# Altium PCB Slave.PcbDoc (part 10 of 12)
Units mm, origin at the board's own origin, x right, y up, seen from the top; angles counter-clockwise.
Board outline 380 x 63 mm, 4 copper layers (Top Copper, Signal Layer 1, Signal Layer 2, Bottom Copper), stack 1.586 mm thick; 265 components, 193 nets, 745 pads, 28205 vias.
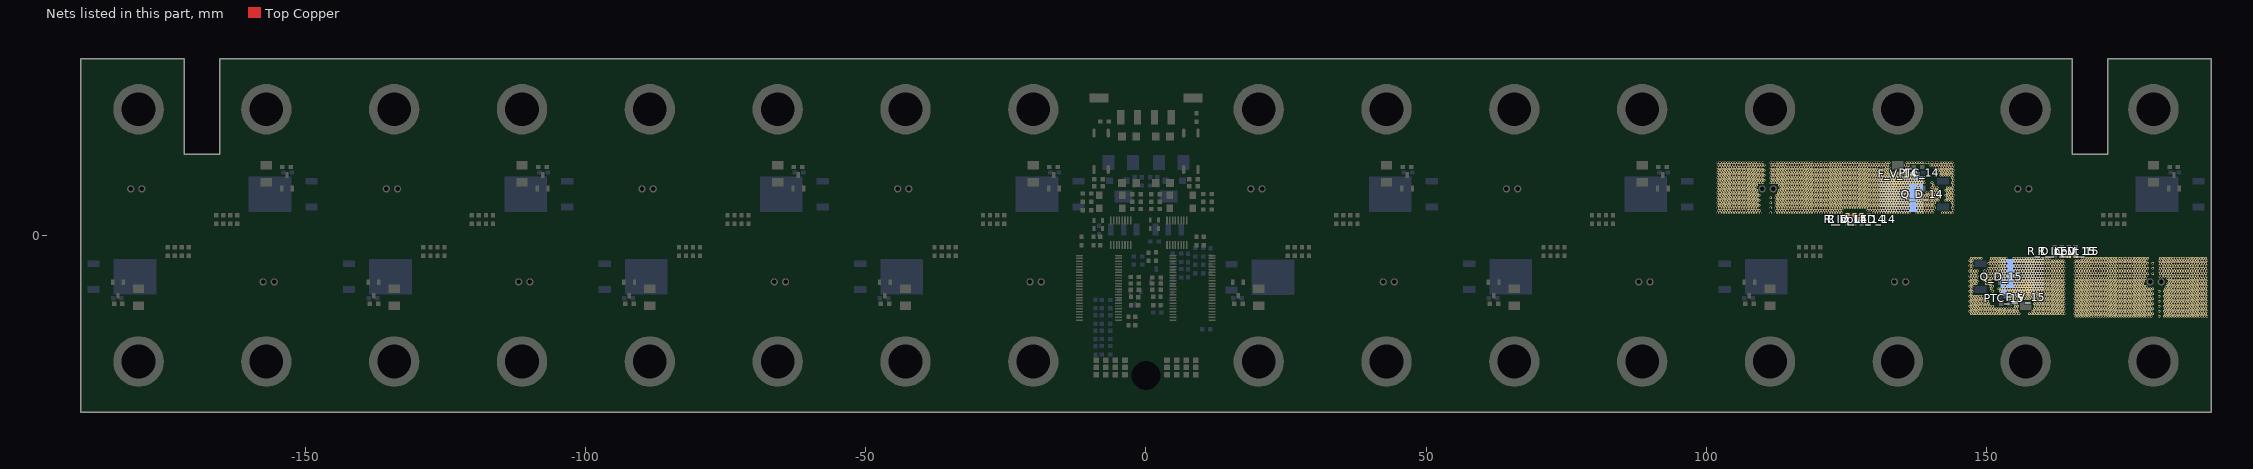
[diagram p12: the nets of this part, all layers, seen from the top]

## Via types
v1: diameter 0.45, hole 0.297, Top Copper to Bottom Copper, tented both sides, 27372 vias
v2: diameter 1, hole 0.7, Top Copper to Bottom Copper, 576 vias
v3: diameter 0.45, hole 0.2, Top Copper to Bottom Copper, 257 vias

## Nets (pads, with @x,y where several pads share a name; then routed paths per layer and width w, separated by ;. In a path a pad name is that pad's centre, name@x,y a point inside that pad or via, vN(x,y) a via of type N, cw(c..) or ccw(c..) an arc to the next point about the centre after c; other vN are vias at no path point) (continued)
F_14: C_V_14.2 F_V_14.2 PTC_14.2 Q_D_14.2 R_D_LED_14.2 R_Input_14.1 | length 3.9
  Top Copper w0.254: C_V_14.2@125.15,3.6 R_Input_14.1@126.4,3.6 R_D_LED_14.2@127.65,3.6
  Top Copper w0.305: v1@134.125,8.1 F_V_14.2@134.125,9.48
  other v1: 101.949,4 102.399,4 102.849,4 103.299,4 103.749,4 104.199,4 104.649,4 105.099,4 105.549,4 105.999,4 106.449,4 106.899,4 107.349,4 107.799,4 108.249,4 108.699,4 109.149,4 109.599,4 111.399,4 112.299,4 112.749,4 113.199,4 113.649,4 114.099,4 114.549,4 114.999,4 115.449,4 115.899,4 116.349,4 116.799,4 117.249,4 117.699,4 118.149,4 118.599,4 119.049,4 119.499,4 119.949,4 120.399,4 120.849,4 121.299,4 121.749,4 122.199,4 122.649,4 123.099,4 123.549,4 123.999,4 129.849,4 130.299,4 130.749,4 131.199,4 131.649,4 132.099,4 132.549,4 132.999,4 133.449,4 133.899,4 134.349,4 134.799,4 135.249,4 135.699,4 136.149,4 137.499,4 137.949,4 138.399,4 138.849,4 139.299,4 139.749,4 140.199,4 141.999,4 142.449,4 142.899,4 143.349,4 143.799,4 102.174,4.45 102.624,4.45 103.074,4.45 103.524,4.45 103.974,4.45 104.424,4.45 104.874,4.45 105.324,4.45 105.774,4.45 106.224,4.45 106.674,4.45 107.124,4.45 107.574,4.45 108.024,4.45 108.474,4.45 108.924,4.45 109.374,4.45 112.524,4.45 112.974,4.45 113.424,4.45 113.874,4.45 114.324,4.45 114.774,4.45 115.224,4.45 115.674,4.45 116.124,4.45 116.574,4.45 117.024,4.45 117.474,4.45 117.924,4.45 118.374,4.45 118.824,4.45 119.274,4.45 119.724,4.45 120.174,4.45 120.624,4.45 121.074,4.45 121.524,4.45 121.974,4.45 122.424,4.45 122.874,4.45 123.324,4.45 123.774,4.45 124.224,4.45 128.724,4.45 129.174,4.45 129.624,4.45 130.074,4.45 130.524,4.45 130.974,4.45 131.424,4.45 131.874,4.45 132.324,4.45 132.774,4.45 133.224,4.45 133.674,4.45 134.124,4.45 134.574,4.45 135.024,4.45 135.474,4.45 135.924,4.45 137.724,4.45 138.174,4.45 138.624,4.45 139.074,4.45 139.524,4.45 139.974,4.45 140.424,4.45 144.024,4.45 101.949,4.9 102.399,4.9 102.849,4.9 103.299,4.9 103.749,4.9 104.199,4.9 104.649,4.9 105.099,4.9 105.549,4.9 105.999,4.9 106.449,4.9 106.899,4.9 107.349,4.9 107.799,4.9 108.249,4.9 108.699,4.9 109.149,4.9 111.399,4.9 112.299,4.9 112.749,4.9 113.199,4.9 113.649,4.9 114.099,4.9 114.549,4.9 114.999,4.9 115.449,4.9 115.899,4.9 116.349,4.9 116.799,4.9 117.249,4.9 117.699,4.9 118.149,4.9 118.599,4.9 119.049,4.9 119.499,4.9 119.949,4.9 120.399,4.9 120.849,4.9 121.299,4.9 121.749,4.9 122.199,4.9 122.649,4.9 123.099,4.9 123.549,4.9 123.999,4.9 124.449,4.9 124.899,4.9 125.349,4.9 125.799,4.9 126.249,4.9 126.699,4.9 127.149,4.9 127.599,4.9 128.049,4.9 128.499,4.9 128.949,4.9 129.399,4.9 129.849,4.9 130.299,4.9 130.749,4.9 131.199,4.9 131.649,4.9 132.099,4.9 132.549,4.9 132.999,4.9 133.449,4.9 133.899,4.9 134.349,4.9 134.799,4.9 135.249,4.9 135.699,4.9 136.149,4.9 137.499,4.9 137.949,4.9 138.399,4.9 138.849,4.9 139.299,4.9 139.749,4.9 140.199,4.9 140.649,4.9 143.799,4.9 102.174,5.35 102.624,5.35 103.074,5.35 103.524,5.35 103.974,5.35 104.424,5.35 104.874,5.35 105.324,5.35 105.774,5.35 106.224,5.35 106.674,5.35 107.124,5.35 107.574,5.35 108.024,5.35 108.474,5.35 108.924,5.35 109.374,5.35 112.524,5.35 112.974,5.35 113.424,5.35 113.874,5.35 114.324,5.35 114.774,5.35 115.224,5.35 115.674,5.35 116.124,5.35 116.574,5.35 117.024,5.35 117.474,5.35 117.924,5.35 118.374,5.35 118.824,5.35 119.274,5.35 119.724,5.35 120.174,5.35 120.624,5.35 121.074,5.35 121.524,5.35 121.974,5.35 122.424,5.35 122.874,5.35 123.324,5.35 123.774,5.35 124.224,5.35 124.674,5.35 125.124,5.35 125.574,5.35 126.024,5.35 126.474,5.35 126.924,5.35 127.374,5.35 127.824,5.35 128.274,5.35 128.724,5.35 129.174,5.35 129.624,5.35 130.074,5.35 130.524,5.35 130.974,5.35 131.424,5.35 131.874,5.35 132.324,5.35 132.774,5.35 133.224,5.35 133.674,5.35 134.124,5.35 134.574,5.35 135.024,5.35 135.474,5.35 135.924,5.35 137.724,5.35 138.174,5.35 138.624,5.35 139.074,5.35 139.524,5.35 139.974,5.35 140.424,5.35 144.024,5.35 101.949,5.8 102.399,5.8 102.849,5.8 103.299,5.8 103.749,5.8 104.199,5.8 104.649,5.8 105.099,5.8 105.549,5.8 105.999,5.8 106.449,5.8 106.899,5.8 107.349,5.8 107.799,5.8 108.249,5.8 108.699,5.8 109.149,5.8 111.399,5.8 112.299,5.8 112.749,5.8 113.199,5.8 113.649,5.8 114.099,5.8 114.549,5.8 114.999,5.8 115.449,5.8 115.899,5.8 116.349,5.8 116.799,5.8 117.249,5.8 117.699,5.8 118.149,5.8 118.599,5.8 119.049,5.8 119.499,5.8 119.949,5.8 120.399,5.8 120.849,5.8 121.299,5.8 121.749,5.8 122.199,5.8 122.649,5.8 123.099,5.8 123.549,5.8 123.999,5.8 124.449,5.8 124.899,5.8 125.349,5.8 125.799,5.8 126.249,5.8 126.699,5.8 127.149,5.8 127.599,5.8 128.049,5.8 128.499,5.8 128.949,5.8 129.399,5.8 129.849,5.8 130.299,5.8 130.749,5.8 131.199,5.8 131.649,5.8 132.099,5.8 132.549,5.8 132.999,5.8 133.449,5.8 133.899,5.8 134.349,5.8 134.799,5.8 135.249,5.8 135.699,5.8 136.149,5.8 137.499,5.8 137.949,5.8 138.399,5.8 138.849,5.8 139.299,5.8 139.749,5.8 140.199,5.8 140.649,5.8 143.799,5.8 102.174,6.25 102.624,6.25 103.074,6.25 103.524,6.25 103.974,6.25 104.424,6.25 104.874,6.25 105.324,6.25 105.774,6.25 106.224,6.25 106.674,6.25 107.124,6.25 107.574,6.25 108.024,6.25 108.474,6.25 108.924,6.25 109.374,6.25 112.524,6.25 112.974,6.25 113.424,6.25 113.874,6.25 114.324,6.25 114.774,6.25 115.224,6.25 115.674,6.25 116.124,6.25 116.574,6.25 117.024,6.25 117.474,6.25 117.924,6.25 118.374,6.25 118.824,6.25 119.274,6.25 119.724,6.25 120.174,6.25 120.624,6.25 121.074,6.25 121.524,6.25 121.974,6.25 122.424,6.25 122.874,6.25 123.324,6.25 123.774,6.25 124.224,6.25 124.674,6.25 125.124,6.25 125.574,6.25 126.024,6.25 126.474,6.25 126.924,6.25 127.374,6.25 127.824,6.25 128.274,6.25 128.724,6.25 129.174,6.25 129.624,6.25 130.074,6.25 130.524,6.25 130.974,6.25 131.424,6.25 131.874,6.25 132.324,6.25 132.774,6.25 133.224,6.25 133.674,6.25 134.124,6.25 134.574,6.25 135.024,6.25 135.474,6.25 135.924,6.25 137.724,6.25 138.174,6.25 138.624,6.25 139.074,6.25 139.524,6.25 139.974,6.25 140.424,6.25 140.874,6.25 141.324,6.25 142.674,6.25 143.124,6.25 143.574,6.25 144.024,6.25 101.949,6.7 102.399,6.7 102.849,6.7 103.299,6.7 103.749,6.7 104.199,6.7 104.649,6.7 105.099,6.7 105.549,6.7 105.999,6.7 106.449,6.7 106.899,6.7 107.349,6.7 107.799,6.7 108.249,6.7 108.699,6.7 109.149,6.7 111.399,6.7 112.299,6.7 112.749,6.7 113.199,6.7 113.649,6.7 114.099,6.7 114.549,6.7 114.999,6.7 115.449,6.7 115.899,6.7 116.349,6.7 116.799,6.7 117.249,6.7 117.699,6.7 118.149,6.7 118.599,6.7 119.049,6.7 119.499,6.7 119.949,6.7 120.399,6.7 120.849,6.7 121.299,6.7 121.749,6.7 122.199,6.7 122.649,6.7 123.099,6.7 123.549,6.7 123.999,6.7 124.449,6.7 124.899,6.7 125.349,6.7 125.799,6.7 126.249,6.7 126.699,6.7 127.149,6.7 127.599,6.7 128.049,6.7 128.499,6.7 128.949,6.7 129.399,6.7 129.849,6.7 130.299,6.7 130.749,6.7 131.199,6.7 131.649,6.7 132.099,6.7 132.549,6.7 132.999,6.7 133.449,6.7 133.899,6.7 134.349,6.7 134.799,6.7 135.249,6.7 135.699,6.7 136.149,6.7 137.499,6.7 137.949,6.7 138.399,6.7 138.849,6.7 139.299,6.7 139.749,6.7 140.199,6.7 140.649,6.7 141.099,6.7 141.549,6.7 142.899,6.7 143.349,6.7 143.799,6.7 102.174,7.15 102.624,7.15 103.074,7.15 103.524,7.15 103.974,7.15 104.424,7.15 104.874,7.15 105.324,7.15 105.774,7.15 106.224,7.15 106.674,7.15 107.124,7.15 107.574,7.15 108.024,7.15 108.474,7.15 108.924,7.15 109.374,7.15 112.524,7.15 112.974,7.15 113.424,7.15 113.874,7.15 114.324,7.15 114.774,7.15 115.224,7.15 115.674,7.15 116.124,7.15 116.574,7.15 117.024,7.15 117.474,7.15 117.924,7.15 118.374,7.15 118.824,7.15 119.274,7.15 119.724,7.15 120.174,7.15 120.624,7.15 121.074,7.15 121.524,7.15 121.974,7.15 122.424,7.15 122.874,7.15 123.324,7.15 123.774,7.15 124.224,7.15 124.674,7.15 125.124,7.15 125.574,7.15 126.024,7.15 126.474,7.15 126.924,7.15 127.374,7.15 127.824,7.15 128.274,7.15 128.724,7.15 129.174,7.15 129.624,7.15 130.074,7.15 130.524,7.15 130.974,7.15 131.424,7.15 131.874,7.15 132.324,7.15 132.774,7.15 133.224,7.15 133.674,7.15 134.124,7.15 134.574,7.15 135.024,7.15 135.474,7.15 135.924,7.15 137.724,7.15 138.174,7.15 138.624,7.15 139.074,7.15 139.524,7.15 139.974,7.15 140.424,7.15 140.874,7.15 141.324,7.15 142.674,7.15 143.124,7.15 143.574,7.15 144.024,7.15 101.949,7.6 102.399,7.6 102.849,7.6 103.299,7.6 103.749,7.6 104.199,7.6 104.649,7.6 105.099,7.6 105.549,7.6 105.999,7.6 106.449,7.6 106.899,7.6 107.349,7.6 107.799,7.6 108.249,7.6 108.699,7.6 109.149,7.6 112.749,7.6 113.199,7.6 113.649,7.6 114.099,7.6 114.549,7.6 114.999,7.6 115.449,7.6 115.899,7.6 116.349,7.6 116.799,7.6 117.249,7.6 117.699,7.6 118.149,7.6 118.599,7.6 119.049,7.6 119.499,7.6 119.949,7.6 120.399,7.6 120.849,7.6 121.299,7.6 121.749,7.6 122.199,7.6 122.649,7.6 123.099,7.6 123.549,7.6 123.999,7.6 124.449,7.6 124.899,7.6 125.349,7.6 125.799,7.6 126.249,7.6 126.699,7.6 127.149,7.6 127.599,7.6 128.049,7.6 128.499,7.6 128.949,7.6 129.399,7.6 129.849,7.6 130.299,7.6 130.749,7.6 131.199,7.6 131.649,7.6 132.099,7.6 132.549,7.6 132.999,7.6 133.449,7.6 133.899,7.6 134.349,7.6 134.799,7.6 135.249,7.6 135.699,7.6 136.149,7.6 137.499,7.6 137.949,7.6 139.299,7.6 139.749,7.6 140.199,7.6 140.649,7.6 141.099,7.6 141.549,7.6 142.899,7.6 143.349,7.6 143.799,7.6 102.174,8.05 102.624,8.05 103.074,8.05 103.524,8.05 103.974,8.05 104.424,8.05 104.874,8.05 105.324,8.05 105.774,8.05 106.224,8.05 106.674,8.05 107.124,8.05 107.574,8.05 108.024,8.05 108.474,8.05 108.924,8.05 112.974,8.05 113.424,8.05 113.874,8.05 114.324,8.05 114.774,8.05 115.224,8.05 115.674,8.05 116.124,8.05 116.574,8.05 117.024,8.05 117.474,8.05 117.924,8.05 118.374,8.05 118.824,8.05 119.274,8.05 119.724,8.05 120.174,8.05 120.624,8.05 121.074,8.05 121.524,8.05 121.974,8.05 122.424,8.05 122.874,8.05 123.324,8.05 123.774,8.05 124.224,8.05 124.674,8.05 125.124,8.05 125.574,8.05 126.024,8.05 126.474,8.05 126.924,8.05 127.374,8.05 127.824,8.05 128.274,8.05 128.724,8.05 129.174,8.05 129.624,8.05 130.074,8.05 130.524,8.05 130.974,8.05 131.424,8.05 131.874,8.05 132.324,8.05 132.774,8.05 133.224,8.05 133.674,8.05 134.124,8.05 134.574,8.05 135.024,8.05 135.474,8.05 135.924,8.05 137.724,8.05 140.424,8.05 140.874,8.05 141.324,8.05 142.674,8.05 143.124,8.05 143.574,8.05 144.024,8.05 101.949,8.5 102.399,8.5 102.849,8.5 103.299,8.5 103.749,8.5 104.199,8.5 104.649,8.5 105.099,8.5 105.549,8.5 105.999,8.5 106.449,8.5 106.899,8.5 107.349,8.5 107.799,8.5 108.249,8.5 108.699,8.5 113.199,8.5 113.649,8.5 114.099,8.5 114.549,8.5 114.999,8.5 115.449,8.5 115.899,8.5 116.349,8.5 116.799,8.5 117.249,8.5 117.699,8.5 118.149,8.5 118.599,8.5 119.049,8.5 119.499,8.5 119.949,8.5 120.399,8.5 120.849,8.5 121.299,8.5 121.749,8.5 122.199,8.5 122.649,8.5 123.099,8.5 123.549,8.5 123.999,8.5 124.449,8.5 124.899,8.5 125.349,8.5 125.799,8.5 126.249,8.5 126.699,8.5 127.149,8.5 127.599,8.5 128.049,8.5 128.499,8.5 128.949,8.5 129.399,8.5 129.849,8.5 130.299,8.5 130.749,8.5 131.199,8.5 131.649,8.5 132.099,8.5 132.549,8.5 132.999,8.5 133.449,8.5 133.899,8.5 134.349,8.5 134.799,8.5 135.249,8.5 135.699,8.5 136.149,8.5 137.499,8.5 137.949,8.5 140.199,8.5 140.649,8.5 141.099,8.5 142.899,8.5 143.349,8.5 143.799,8.5 102.174,8.95 102.624,8.95 103.074,8.95 103.524,8.95 103.974,8.95 104.424,8.95 104.874,8.95 105.324,8.95 105.774,8.95 106.224,8.95 106.674,8.95 107.124,8.95 107.574,8.95 108.024,8.95 108.474,8.95 108.924,8.95 112.974,8.95 113.424,8.95 113.874,8.95 114.324,8.95 114.774,8.95 115.224,8.95 115.674,8.95 116.124,8.95 116.574,8.95 117.024,8.95 117.474,8.95 117.924,8.95 118.374,8.95 118.824,8.95 119.274,8.95 119.724,8.95 120.174,8.95 120.624,8.95 121.074,8.95 121.524,8.95 121.974,8.95 122.424,8.95 122.874,8.95 123.324,8.95 123.774,8.95 124.224,8.95 124.674,8.95 125.124,8.95 125.574,8.95 126.024,8.95 126.474,8.95 126.924,8.95 127.374,8.95 127.824,8.95 128.274,8.95 128.724,8.95 129.174,8.95 129.624,8.95 130.074,8.95 130.524,8.95 130.974,8.95 131.424,8.95 131.874,8.95 132.324,8.95 132.774,8.95 133.224,8.95 133.674,8.95 134.124,8.95 134.574,8.95 135.024,8.95 135.474,8.95 135.924,8.95 137.724,8.95 140.424,8.95 144.024,8.95 101.949,9.4 102.399,9.4 102.849,9.4 103.299,9.4 103.749,9.4 104.199,9.4 104.649,9.4 105.099,9.4 105.549,9.4 105.999,9.4 106.449,9.4 106.899,9.4 107.349,9.4 107.799,9.4 108.249,9.4 108.699,9.4 109.149,9.4 109.599,9.4 110.049,9.4 111.399,9.4 111.849,9.4 112.299,9.4 112.749,9.4 113.199,9.4 113.649,9.4 114.099,9.4 114.549,9.4 114.999,9.4 115.449,9.4 115.899,9.4 116.349,9.4 116.799,9.4 117.249,9.4 117.699,9.4 118.149,9.4 118.599,9.4 119.049,9.4 119.499,9.4 119.949,9.4 120.399,9.4 120.849,9.4 121.299,9.4 121.749,9.4 122.199,9.4 122.649,9.4 123.099,9.4 123.549,9.4 123.999,9.4 124.449,9.4 124.899,9.4 125.349,9.4 125.799,9.4 126.249,9.4 126.699,9.4 127.149,9.4 127.599,9.4 128.049,9.4 128.499,9.4 128.949,9.4 129.399,9.4 129.849,9.4 130.299,9.4 130.749,9.4 131.199,9.4 131.649,9.4 132.099,9.4 132.549,9.4 132.999,9.4 133.449,9.4 133.899,9.4 134.349,9.4 134.799,9.4 135.249,9.4 135.699,9.4 136.149,9.4 136.599,9.4 137.049,9.4 137.499,9.4 137.949,9.4 138.399,9.4 138.849,9.4 140.199,9.4 143.799,9.4 102.174,9.85 102.624,9.85 103.074,9.85 103.524,9.85 103.974,9.85 104.424,9.85 104.874,9.85 105.324,9.85 105.774,9.85 106.224,9.85 106.674,9.85 107.124,9.85 107.574,9.85 108.024,9.85 108.474,9.85 108.924,9.85 109.374,9.85 109.824,9.85 110.274,9.85 111.624,9.85 112.074,9.85 112.524,9.85 112.974,9.85 113.424,9.85 113.874,9.85 114.324,9.85 114.774,9.85 115.224,9.85 115.674,9.85 116.124,9.85 116.574,9.85 117.024,9.85 117.474,9.85 117.924,9.85 118.374,9.85 118.824,9.85 119.274,9.85 119.724,9.85 120.174,9.85 120.624,9.85 121.074,9.85 121.524,9.85 121.974,9.85 122.424,9.85 122.874,9.85 123.324,9.85 123.774,9.85 124.224,9.85 124.674,9.85 125.124,9.85 125.574,9.85 126.024,9.85 126.474,9.85 126.924,9.85 127.374,9.85 127.824,9.85 128.274,9.85 128.724,9.85 129.174,9.85 129.624,9.85 130.074,9.85 130.524,9.85 130.974,9.85 131.424,9.85 131.874,9.85 132.324,9.85 132.774,9.85 133.224,9.85 133.674,9.85 134.124,9.85 134.574,9.85 135.024,9.85 135.474,9.85 135.924,9.85 136.374,9.85 136.824,9.85 137.274,9.85 137.724,9.85 138.174,9.85 138.624,9.85 144.024,9.85 101.949,10.3 102.399,10.3 102.849,10.3 103.299,10.3 103.749,10.3 104.199,10.3 104.649,10.3 105.099,10.3 105.549,10.3 105.999,10.3 106.449,10.3 106.899,10.3 107.349,10.3 107.799,10.3 108.249,10.3 108.699,10.3 109.149,10.3 109.599,10.3 110.049,10.3 111.399,10.3 111.849,10.3 112.299,10.3 112.749,10.3 113.199,10.3 113.649,10.3 114.099,10.3 114.549,10.3 114.999,10.3 115.449,10.3 115.899,10.3 116.349,10.3 116.799,10.3 117.249,10.3 117.699,10.3 118.149,10.3 118.599,10.3 119.049,10.3 119.499,10.3 119.949,10.3 120.399,10.3 120.849,10.3 121.299,10.3 121.749,10.3 122.199,10.3 122.649,10.3 123.099,10.3 123.549,10.3 123.999,10.3 124.449,10.3 124.899,10.3 125.349,10.3 125.799,10.3 126.249,10.3 126.699,10.3 127.149,10.3 127.599,10.3 128.049,10.3 128.499,10.3 128.949,10.3 129.399,10.3 129.849,10.3 130.299,10.3 130.749,10.3 131.199,10.3 131.649,10.3 132.099,10.3 132.549,10.3 132.999,10.3 133.449,10.3 133.899,10.3 134.349,10.3 134.799,10.3 135.249,10.3 135.699,10.3 136.149,10.3 136.599,10.3 137.049,10.3 138.849,10.3 143.799,10.3 102.174,10.75 102.624,10.75 103.074,10.75 103.524,10.75 103.974,10.75 104.424,10.75 104.874,10.75 105.324,10.75 105.774,10.75 106.224,10.75 106.674,10.75 107.124,10.75 107.574,10.75 108.024,10.75 108.474,10.75 108.924,10.75 109.374,10.75 109.824,10.75 110.274,10.75 111.624,10.75 112.074,10.75 112.524,10.75 112.974,10.75 113.424,10.75 113.874,10.75 114.324,10.75 114.774,10.75 115.224,10.75 115.674,10.75 116.124,10.75 116.574,10.75 117.024,10.75 117.474,10.75 117.924,10.75 118.374,10.75 118.824,10.75 119.274,10.75 119.724,10.75 120.174,10.75 120.624,10.75 121.074,10.75 121.524,10.75 121.974,10.75 122.424,10.75 122.874,10.75 123.324,10.75 123.774,10.75 124.224,10.75 124.674,10.75 125.124,10.75 125.574,10.75 126.024,10.75 126.474,10.75 126.924,10.75 127.374,10.75 127.824,10.75 128.274,10.75 128.724,10.75 129.174,10.75 129.624,10.75 130.074,10.75 130.524,10.75 130.974,10.75 131.424,10.75 131.874,10.75 132.324,10.75 132.774,10.75 133.224,10.75 133.674,10.75 134.124,10.75 134.574,10.75 135.024,10.75 135.474,10.75 135.924,10.75 136.374,10.75 136.824,10.75 141.774,10.75 142.224,10.75 142.674,10.75 143.124,10.75 143.574,10.75 144.024,10.75 101.949,11.2 102.399,11.2 102.849,11.2 103.299,11.2 103.749,11.2 104.199,11.2 104.649,11.2 105.099,11.2 105.549,11.2 105.999,11.2 106.449,11.2 106.899,11.2 107.349,11.2 107.799,11.2 108.249,11.2 108.699,11.2 109.149,11.2 109.599,11.2 110.049,11.2 111.399,11.2 111.849,11.2 112.299,11.2 112.749,11.2 113.199,11.2 113.649,11.2 114.099,11.2 114.549,11.2 114.999,11.2 115.449,11.2 115.899,11.2 116.349,11.2 116.799,11.2 117.249,11.2 117.699,11.2 118.149,11.2 118.599,11.2 119.049,11.2 119.499,11.2 119.949,11.2 120.399,11.2 120.849,11.2 121.299,11.2 121.749,11.2 122.199,11.2 122.649,11.2 123.099,11.2 123.549,11.2 123.999,11.2 124.449,11.2 124.899,11.2 125.349,11.2 125.799,11.2 126.249,11.2 126.699,11.2 127.149,11.2 127.599,11.2 128.049,11.2 128.499,11.2 128.949,11.2 129.399,11.2 129.849,11.2 130.299,11.2 130.749,11.2 131.199,11.2 131.649,11.2 132.099,11.2 132.549,11.2 132.999,11.2 133.449,11.2 133.899,11.2 134.349,11.2 134.799,11.2 135.249,11.2 135.699,11.2 136.149,11.2 136.599,11.2 137.049,11.2 141.549,11.2 141.999,11.2 142.449,11.2 142.899,11.2 143.349,11.2 143.799,11.2 102.174,11.65 102.624,11.65 103.074,11.65 103.524,11.65 103.974,11.65 104.424,11.65 104.874,11.65 105.324,11.65 105.774,11.65 106.224,11.65 106.674,11.65 107.124,11.65 107.574,11.65 108.024,11.65 108.474,11.65 108.924,11.65 109.374,11.65 109.824,11.65 110.274,11.65 111.624,11.65 112.074,11.65 112.524,11.65 112.974,11.65 113.424,11.65 113.874,11.65 114.324,11.65 114.774,11.65 115.224,11.65 115.674,11.65 116.124,11.65 116.574,11.65 117.024,11.65 117.474,11.65 117.924,11.65 118.374,11.65 118.824,11.65 119.274,11.65 119.724,11.65 120.174,11.65 120.624,11.65 121.074,11.65 121.524,11.65 121.974,11.65 122.424,11.65 122.874,11.65 123.324,11.65 123.774,11.65 124.224,11.65 124.674,11.65 125.124,11.65 125.574,11.65 126.024,11.65 126.474,11.65 126.924,11.65 127.374,11.65 127.824,11.65 128.274,11.65 128.724,11.65 129.174,11.65 129.624,11.65 130.074,11.65 130.524,11.65 130.974,11.65 131.424,11.65 131.874,11.65 132.324,11.65 135.474,11.65 135.924,11.65 140.874,11.65 141.324,11.65 141.774,11.65 142.224,11.65 142.674,11.65 143.124,11.65 143.574,11.65 144.024,11.65 101.949,12.1 102.399,12.1 102.849,12.1 103.299,12.1 103.749,12.1 104.199,12.1 104.649,12.1 105.099,12.1 105.549,12.1 105.999,12.1 106.449,12.1 106.899,12.1 107.349,12.1 107.799,12.1 108.249,12.1 108.699,12.1 109.149,12.1 109.599,12.1 110.049,12.1 111.399,12.1 111.849,12.1 112.299,12.1 112.749,12.1 113.199,12.1 113.649,12.1 114.099,12.1 114.549,12.1 114.999,12.1 115.449,12.1 115.899,12.1 116.349,12.1 116.799,12.1 117.249,12.1 117.699,12.1 118.149,12.1 118.599,12.1 119.049,12.1 119.499,12.1 119.949,12.1 120.399,12.1 120.849,12.1 121.299,12.1 121.749,12.1 122.199,12.1 122.649,12.1 123.099,12.1 123.549,12.1 123.999,12.1 124.449,12.1 124.899,12.1 125.349,12.1 125.799,12.1 126.249,12.1 126.699,12.1 127.149,12.1 127.599,12.1 128.049,12.1 128.499,12.1 128.949,12.1 129.399,12.1 129.849,12.1 130.299,12.1 130.749,12.1 131.199,12.1 131.649,12.1 132.099,12.1 132.549,12.1 135.699,12.1 136.149,12.1 140.649,12.1 141.099,12.1 141.549,12.1 141.999,12.1 142.449,12.1 142.899,12.1 143.349,12.1 143.799,12.1 102.174,12.55 102.624,12.55 103.074,12.55 103.524,12.55 103.974,12.55 104.424,12.55 104.874,12.55 105.324,12.55 105.774,12.55 106.224,12.55 106.674,12.55 107.124,12.55 107.574,12.55 108.024,12.55 108.474,12.55 108.924,12.55 109.374,12.55 109.824,12.55 110.274,12.55 111.624,12.55 112.074,12.55 112.524,12.55 112.974,12.55 113.424,12.55 113.874,12.55 114.324,12.55 114.774,12.55 115.224,12.55 115.674,12.55 116.124,12.55 116.574,12.55 117.024,12.55 117.474,12.55 117.924,12.55 118.374,12.55 118.824,12.55 119.274,12.55 119.724,12.55 120.174,12.55 120.624,12.55 121.074,12.55 121.524,12.55 121.974,12.55 122.424,12.55 122.874,12.55 123.324,12.55 123.774,12.55 124.224,12.55 124.674,12.55 125.124,12.55 125.574,12.55 126.024,12.55 126.474,12.55 126.924,12.55 127.374,12.55 127.824,12.55 128.274,12.55 128.724,12.55 129.174,12.55 129.624,12.55 130.074,12.55 130.524,12.55 130.974,12.55 131.424,12.55 131.874,12.55 132.324,12.55 135.474,12.55 135.924,12.55 139.974,12.55 140.424,12.55 140.874,12.55 141.324,12.55 141.774,12.55 142.224,12.55 142.674,12.55 143.124,12.55 143.574,12.55 144.024,12.55 101.949,13 102.399,13 102.849,13 103.299,13 103.749,13 104.199,13 104.649,13 105.099,13 105.549,13 105.999,13 106.449,13 106.899,13 107.349,13 107.799,13 108.249,13 108.699,13 109.149,13 109.599,13 110.049,13 111.399,13 111.849,13 112.299,13 112.749,13 113.199,13 113.649,13 114.099,13 114.549,13 114.999,13 115.449,13 115.899,13 116.349,13 116.799,13 117.249,13 117.699,13 118.149,13 118.599,13 119.049,13 119.499,13 119.949,13 120.399,13 120.849,13 121.299,13 121.749,13 122.199,13 122.649,13 123.099,13 123.549,13 123.999,13 124.449,13 124.899,13 125.349,13 125.799,13 126.249,13 126.699,13 127.149,13 127.599,13 128.049,13 128.499,13 128.949,13 129.399,13 129.849,13 130.299,13 130.749,13 131.199,13 131.649,13 132.099,13 132.549,13 135.699,13 136.149,13 136.599,13 137.049,13 137.499,13 137.949,13 138.399,13 138.849,13 139.299,13 139.749,13 140.199,13 140.649,13 141.099,13 141.549,13 141.999,13 142.449,13 142.899,13 143.349,13 143.799,13
F_15: C_V_15.2 F_V_15.2 PTC_15.2 Q_D_15.2 R_D_LED_15.2 R_Input_15.1 | length 3.9
  Top Copper w0.254: R_D_LED_15.2@163.35,-3.6 R_Input_15.1@164.6,-3.6 C_V_15.2@165.85,-3.6
  Top Copper w0.305: F_V_15.2@156.875,-9.48 v1@156.875,-8.1
  other v1: 165.849,-14.45 166.299,-14.45 166.749,-14.45 167.199,-14.45 167.649,-14.45 168.099,-14.45 168.549,-14.45 168.999,-14.45 169.449,-14.45 169.899,-14.45 170.349,-14.45 170.799,-14.45 171.249,-14.45 171.699,-14.45 172.149,-14.45 172.599,-14.45 173.049,-14.45 173.499,-14.45 173.949,-14.45 174.399,-14.45 174.849,-14.45 175.299,-14.45 175.749,-14.45 176.199,-14.45 176.649,-14.45 177.099,-14.45 177.549,-14.45 177.999,-14.45 178.449,-14.45 178.899,-14.45 179.349,-14.45 180.699,-14.45 181.599,-14.45 182.049,-14.45 182.499,-14.45 182.949,-14.45 183.399,-14.45 183.849,-14.45 184.299,-14.45 184.749,-14.45 185.199,-14.45 185.649,-14.45 186.099,-14.45 186.549,-14.45 186.999,-14.45 187.449,-14.45 187.899,-14.45 188.349,-14.45 188.799,-14.45 189.249,-14.45 147.174,-14 147.624,-14 148.074,-14 148.524,-14 148.974,-14 149.424,-14 149.874,-14 150.324,-14 150.774,-14 151.224,-14 151.674,-14 152.124,-14 152.574,-14 153.024,-14 153.474,-14 153.924,-14 154.374,-14 154.824,-14 155.274,-14 155.724,-14 157.524,-14 157.974,-14 158.424,-14 158.874,-14 159.324,-14 159.774,-14 160.224,-14 160.674,-14 161.124,-14 161.574,-14 162.024,-14 162.474,-14 162.924,-14 163.374,-14 163.824,-14 165.624,-14 166.074,-14 166.524,-14 166.974,-14 167.424,-14 167.874,-14 168.324,-14 168.774,-14 169.224,-14 169.674,-14 170.124,-14 170.574,-14 171.024,-14 171.474,-14 171.924,-14 172.374,-14 172.824,-14 173.274,-14 173.724,-14 174.174,-14 174.624,-14 175.074,-14 175.524,-14 175.974,-14 176.424,-14 176.874,-14 177.324,-14 177.774,-14 178.224,-14 178.674,-14 179.124,-14 179.574,-14 181.824,-14 182.274,-14 182.724,-14 183.174,-14 183.624,-14 184.074,-14 184.524,-14 184.974,-14 185.424,-14 185.874,-14 186.324,-14 186.774,-14 187.224,-14 187.674,-14 188.124,-14 188.574,-14 189.024,-14 146.949,-13.55 147.399,-13.55 147.849,-13.55 148.299,-13.55 148.749,-13.55 149.199,-13.55 149.649,-13.55 150.099,-13.55 150.549,-13.55 150.999,-13.55 151.449,-13.55 151.899,-13.55 152.349,-13.55 152.799,-13.55 153.249,-13.55 153.699,-13.55 154.149,-13.55 154.599,-13.55 155.049,-13.55 155.499,-13.55 158.199,-13.55 158.649,-13.55 159.099,-13.55 159.549,-13.55 159.999,-13.55 160.449,-13.55 160.899,-13.55 161.349,-13.55 161.799,-13.55 162.249,-13.55 162.699,-13.55 163.149,-13.55 163.599,-13.55 165.849,-13.55 166.299,-13.55 166.749,-13.55 167.199,-13.55 167.649,-13.55 168.099,-13.55 168.549,-13.55 168.999,-13.55 169.449,-13.55 169.899,-13.55 170.349,-13.55 170.799,-13.55 171.249,-13.55 171.699,-13.55 172.149,-13.55 172.599,-13.55 173.049,-13.55 173.499,-13.55 173.949,-13.55 174.399,-13.55 174.849,-13.55 175.299,-13.55 175.749,-13.55 176.199,-13.55 176.649,-13.55 177.099,-13.55 177.549,-13.55 177.999,-13.55 178.449,-13.55 178.899,-13.55 179.349,-13.55 180.699,-13.55 181.599,-13.55 182.049,-13.55 182.499,-13.55 182.949,-13.55 183.399,-13.55 183.849,-13.55 184.299,-13.55 184.749,-13.55 185.199,-13.55 185.649,-13.55 186.099,-13.55 186.549,-13.55 186.999,-13.55 187.449,-13.55 187.899,-13.55 188.349,-13.55 188.799,-13.55 189.249,-13.55 147.174,-13.1 147.624,-13.1 148.074,-13.1 148.524,-13.1 148.974,-13.1 149.424,-13.1 149.874,-13.1 150.324,-13.1 150.774,-13.1 151.224,-13.1 151.674,-13.1 152.124,-13.1 152.574,-13.1 153.024,-13.1 153.474,-13.1 153.924,-13.1 154.374,-13.1 154.824,-13.1 155.274,-13.1 158.424,-13.1 158.874,-13.1 159.324,-13.1 159.774,-13.1 160.224,-13.1 160.674,-13.1 161.124,-13.1 161.574,-13.1 162.024,-13.1 162.474,-13.1 162.924,-13.1 163.374,-13.1 163.824,-13.1 165.624,-13.1 166.074,-13.1 166.524,-13.1 166.974,-13.1 167.424,-13.1 167.874,-13.1 168.324,-13.1 168.774,-13.1 169.224,-13.1 169.674,-13.1 170.124,-13.1 170.574,-13.1 171.024,-13.1 171.474,-13.1 171.924,-13.1 172.374,-13.1 172.824,-13.1 173.274,-13.1 173.724,-13.1 174.174,-13.1 174.624,-13.1 175.074,-13.1 175.524,-13.1 175.974,-13.1 176.424,-13.1 176.874,-13.1 177.324,-13.1 177.774,-13.1 178.224,-13.1 178.674,-13.1 179.124,-13.1 179.574,-13.1 181.824,-13.1 182.274,-13.1 182.724,-13.1 183.174,-13.1 183.624,-13.1 184.074,-13.1 184.524,-13.1 184.974,-13.1 185.424,-13.1 185.874,-13.1 186.324,-13.1 186.774,-13.1 187.224,-13.1 187.674,-13.1 188.124,-13.1 188.574,-13.1 189.024,-13.1 146.949,-12.65 147.399,-12.65 147.849,-12.65 148.299,-12.65 148.749,-12.65 149.199,-12.65 149.649,-12.65 150.099,-12.65 150.549,-12.65 150.999,-12.65 155.049,-12.65 155.499,-12.65 158.649,-12.65 159.099,-12.65 159.549,-12.65 159.999,-12.65 160.449,-12.65 160.899,-12.65 161.349,-12.65 161.799,-12.65 162.249,-12.65 162.699,-12.65 163.149,-12.65 163.599,-12.65 165.849,-12.65 166.299,-12.65 166.749,-12.65 167.199,-12.65 167.649,-12.65 168.099,-12.65 168.549,-12.65 168.999,-12.65 169.449,-12.65 169.899,-12.65 170.349,-12.65 170.799,-12.65 171.249,-12.65 171.699,-12.65 172.149,-12.65 172.599,-12.65 173.049,-12.65 173.499,-12.65 173.949,-12.65 174.399,-12.65 174.849,-12.65 175.299,-12.65 175.749,-12.65 176.199,-12.65 176.649,-12.65 177.099,-12.65 177.549,-12.65 177.999,-12.65 178.449,-12.65 178.899,-12.65 179.349,-12.65 180.699,-12.65 181.599,-12.65 182.049,-12.65 182.499,-12.65 182.949,-12.65 183.399,-12.65 183.849,-12.65 184.299,-12.65 184.749,-12.65 185.199,-12.65 185.649,-12.65 186.099,-12.65 186.549,-12.65 186.999,-12.65 187.449,-12.65 187.899,-12.65 188.349,-12.65 188.799,-12.65 189.249,-12.65 147.174,-12.2 147.624,-12.2 148.074,-12.2 148.524,-12.2 148.974,-12.2 149.424,-12.2 149.874,-12.2 150.324,-12.2 154.824,-12.2 155.274,-12.2 158.424,-12.2 158.874,-12.2 159.324,-12.2 159.774,-12.2 160.224,-12.2 160.674,-12.2 161.124,-12.2 161.574,-12.2 162.024,-12.2 162.474,-12.2 162.924,-12.2 163.374,-12.2 163.824,-12.2 165.624,-12.2 166.074,-12.2 166.524,-12.2 166.974,-12.2 167.424,-12.2 167.874,-12.2 168.324,-12.2 168.774,-12.2 169.224,-12.2 169.674,-12.2 170.124,-12.2 170.574,-12.2 171.024,-12.2 171.474,-12.2 171.924,-12.2 172.374,-12.2 172.824,-12.2 173.274,-12.2 173.724,-12.2 174.174,-12.2 174.624,-12.2 175.074,-12.2 175.524,-12.2 175.974,-12.2 176.424,-12.2 176.874,-12.2 177.324,-12.2 177.774,-12.2 178.224,-12.2 178.674,-12.2 179.124,-12.2 179.574,-12.2 181.824,-12.2 182.274,-12.2 182.724,-12.2 183.174,-12.2 183.624,-12.2 184.074,-12.2 184.524,-12.2 184.974,-12.2 185.424,-12.2 185.874,-12.2 186.324,-12.2 186.774,-12.2 187.224,-12.2 187.674,-12.2 188.124,-12.2 188.574,-12.2 189.024,-12.2 146.949,-11.75 147.399,-11.75 147.849,-11.75 148.299,-11.75 148.749,-11.75 149.199,-11.75 149.649,-11.75 150.099,-11.75 155.049,-11.75 155.499,-11.75 158.649,-11.75 159.099,-11.75 159.549,-11.75 159.999,-11.75 160.449,-11.75 160.899,-11.75 161.349,-11.75 161.799,-11.75 162.249,-11.75 162.699,-11.75 163.149,-11.75 163.599,-11.75 165.849,-11.75 166.299,-11.75 166.749,-11.75 167.199,-11.75 167.649,-11.75 168.099,-11.75 168.549,-11.75 168.999,-11.75 169.449,-11.75 169.899,-11.75 170.349,-11.75 170.799,-11.75 171.249,-11.75 171.699,-11.75 172.149,-11.75 172.599,-11.75 173.049,-11.75 173.499,-11.75 173.949,-11.75 174.399,-11.75 174.849,-11.75 175.299,-11.75 175.749,-11.75 176.199,-11.75 176.649,-11.75 177.099,-11.75 177.549,-11.75 177.999,-11.75 178.449,-11.75 178.899,-11.75 179.349,-11.75 180.699,-11.75 181.599,-11.75 182.049,-11.75 182.499,-11.75 182.949,-11.75 183.399,-11.75 183.849,-11.75 184.299,-11.75 184.749,-11.75 185.199,-11.75 185.649,-11.75 186.099,-11.75 186.549,-11.75 186.999,-11.75 187.449,-11.75 187.899,-11.75 188.349,-11.75 188.799,-11.75 189.249,-11.75 147.174,-11.3 147.624,-11.3 148.074,-11.3 148.524,-11.3 148.974,-11.3 149.424,-11.3 153.924,-11.3 154.374,-11.3 154.824,-11.3 155.274,-11.3 155.724,-11.3 156.174,-11.3 156.624,-11.3 157.074,-11.3 157.524,-11.3 157.974,-11.3 158.424,-11.3 158.874,-11.3 159.324,-11.3 159.774,-11.3 160.224,-11.3 160.674,-11.3 161.124,-11.3 161.574,-11.3 162.024,-11.3 162.474,-11.3 162.924,-11.3 163.374,-11.3 163.824,-11.3 165.624,-11.3 166.074,-11.3 166.524,-11.3 166.974,-11.3 167.424,-11.3 167.874,-11.3 168.324,-11.3 168.774,-11.3 169.224,-11.3 169.674,-11.3 170.124,-11.3 170.574,-11.3 171.024,-11.3 171.474,-11.3 171.924,-11.3 172.374,-11.3 172.824,-11.3 173.274,-11.3 173.724,-11.3 174.174,-11.3 174.624,-11.3 175.074,-11.3 175.524,-11.3 175.974,-11.3 176.424,-11.3 176.874,-11.3 177.324,-11.3 177.774,-11.3 178.224,-11.3 178.674,-11.3 179.124,-11.3 179.574,-11.3 181.824,-11.3 182.274,-11.3 182.724,-11.3 183.174,-11.3 183.624,-11.3 184.074,-11.3 184.524,-11.3 184.974,-11.3 185.424,-11.3 185.874,-11.3 186.324,-11.3 186.774,-11.3 187.224,-11.3 187.674,-11.3 188.124,-11.3 188.574,-11.3 189.024,-11.3 146.949,-10.85 147.399,-10.85 147.849,-10.85 148.299,-10.85 148.749,-10.85 149.199,-10.85 154.149,-10.85 154.599,-10.85 155.049,-10.85 155.499,-10.85 155.949,-10.85 156.399,-10.85 156.849,-10.85 157.299,-10.85 157.749,-10.85 158.199,-10.85 158.649,-10.85 159.099,-10.85 159.549,-10.85 159.999,-10.85 160.449,-10.85 160.899,-10.85 161.349,-10.85 161.799,-10.85 162.249,-10.85 162.699,-10.85 163.149,-10.85 163.599,-10.85 165.849,-10.85 166.299,-10.85 166.749,-10.85 167.199,-10.85 167.649,-10.85 168.099,-10.85 168.549,-10.85 168.999,-10.85 169.449,-10.85 169.899,-10.85 170.349,-10.85 170.799,-10.85 171.249,-10.85 171.699,-10.85 172.149,-10.85 172.599,-10.85 173.049,-10.85 173.499,-10.85 173.949,-10.85 174.399,-10.85 174.849,-10.85 175.299,-10.85 175.749,-10.85 176.199,-10.85 176.649,-10.85 177.099,-10.85 177.549,-10.85 177.999,-10.85 178.449,-10.85 178.899,-10.85 179.349,-10.85 180.699,-10.85 181.599,-10.85 182.049,-10.85 182.499,-10.85 182.949,-10.85 183.399,-10.85 183.849,-10.85 184.299,-10.85 184.749,-10.85 185.199,-10.85 185.649,-10.85 186.099,-10.85 186.549,-10.85 186.999,-10.85 187.449,-10.85 187.899,-10.85 188.349,-10.85 188.799,-10.85 189.249,-10.85 147.174,-10.4 152.574,-10.4 153.924,-10.4 154.374,-10.4 154.824,-10.4 155.274,-10.4 155.724,-10.4 156.174,-10.4 156.624,-10.4 157.074,-10.4 157.524,-10.4 157.974,-10.4 158.424,-10.4 158.874,-10.4 159.324,-10.4 159.774,-10.4 160.224,-10.4 160.674,-10.4 161.124,-10.4 161.574,-10.4 162.024,-10.4 162.474,-10.4 162.924,-10.4 163.374,-10.4 163.824,-10.4 165.624,-10.4 166.074,-10.4 166.524,-10.4 166.974,-10.4 167.424,-10.4 167.874,-10.4 168.324,-10.4 168.774,-10.4 169.224,-10.4 169.674,-10.4 170.124,-10.4 170.574,-10.4 171.024,-10.4 171.474,-10.4 171.924,-10.4 172.374,-10.4 172.824,-10.4 173.274,-10.4 173.724,-10.4 174.174,-10.4 174.624,-10.4 175.074,-10.4 175.524,-10.4 175.974,-10.4 176.424,-10.4 176.874,-10.4 177.324,-10.4 177.774,-10.4 178.224,-10.4 178.674,-10.4 179.124,-10.4 179.574,-10.4 181.824,-10.4 182.274,-10.4 182.724,-10.4 183.174,-10.4 183.624,-10.4 184.074,-10.4 184.524,-10.4 184.974,-10.4 185.424,-10.4 185.874,-10.4 186.324,-10.4 186.774,-10.4 187.224,-10.4 187.674,-10.4 188.124,-10.4 188.574,-10.4 189.024,-10.4 146.949,-9.95 147.399,-9.95 150.999,-9.95 152.349,-9.95 153.699,-9.95 154.149,-9.95 154.599,-9.95 155.049,-9.95 155.499,-9.95 155.949,-9.95 156.399,-9.95 156.849,-9.95 157.299,-9.95 157.749,-9.95 158.199,-9.95 158.649,-9.95 159.099,-9.95 159.549,-9.95 159.999,-9.95 160.449,-9.95 160.899,-9.95 161.349,-9.95 161.799,-9.95 162.249,-9.95 162.699,-9.95 163.149,-9.95 163.599,-9.95 165.849,-9.95 166.299,-9.95 166.749,-9.95 167.199,-9.95 167.649,-9.95 168.099,-9.95 168.549,-9.95 168.999,-9.95 169.449,-9.95 169.899,-9.95 170.349,-9.95 170.799,-9.95 171.249,-9.95 171.699,-9.95 172.149,-9.95 172.599,-9.95 173.049,-9.95 173.499,-9.95 173.949,-9.95 174.399,-9.95 174.849,-9.95 175.299,-9.95 175.749,-9.95 176.199,-9.95 176.649,-9.95 177.099,-9.95 177.549,-9.95 177.999,-9.95 178.449,-9.95 178.899,-9.95 179.349,-9.95 180.699,-9.95 181.599,-9.95 182.049,-9.95 182.499,-9.95 182.949,-9.95 183.399,-9.95 183.849,-9.95 184.299,-9.95 184.749,-9.95 185.199,-9.95 185.649,-9.95 186.099,-9.95 186.549,-9.95 186.999,-9.95 187.449,-9.95 187.899,-9.95 188.349,-9.95 188.799,-9.95 189.249,-9.95 147.174,-9.5 150.774,-9.5 152.124,-9.5 152.574,-9.5 153.024,-9.5 153.474,-9.5 153.924,-9.5 154.374,-9.5 154.824,-9.5 155.274,-9.5 155.724,-9.5 156.174,-9.5 156.624,-9.5 157.074,-9.5 157.524,-9.5 157.974,-9.5 158.424,-9.5 158.874,-9.5 159.324,-9.5 159.774,-9.5 160.224,-9.5 160.674,-9.5 161.124,-9.5 161.574,-9.5 162.024,-9.5 162.474,-9.5 162.924,-9.5 163.374,-9.5 163.824,-9.5 165.624,-9.5 166.074,-9.5 166.524,-9.5 166.974,-9.5 167.424,-9.5 167.874,-9.5 168.324,-9.5 168.774,-9.5 169.224,-9.5 169.674,-9.5 170.124,-9.5 170.574,-9.5 171.024,-9.5 171.474,-9.5 171.924,-9.5 172.374,-9.5 172.824,-9.5 173.274,-9.5 173.724,-9.5 174.174,-9.5 174.624,-9.5 175.074,-9.5 175.524,-9.5 175.974,-9.5 176.424,-9.5 176.874,-9.5 177.324,-9.5 177.774,-9.5 178.224,-9.5 178.674,-9.5 179.124,-9.5 179.574,-9.5 181.824,-9.5 182.274,-9.5 182.724,-9.5 183.174,-9.5 183.624,-9.5 184.074,-9.5 184.524,-9.5 184.974,-9.5 185.424,-9.5 185.874,-9.5 186.324,-9.5 186.774,-9.5 187.224,-9.5 187.674,-9.5 188.124,-9.5 188.574,-9.5 189.024,-9.5 146.949,-9.05 147.399,-9.05 150.549,-9.05 150.999,-9.05 153.249,-9.05 155.049,-9.05 155.499,-9.05 155.949,-9.05 156.399,-9.05 156.849,-9.05 157.299,-9.05 157.749,-9.05 158.199,-9.05 158.649,-9.05 159.099,-9.05 159.549,-9.05 159.999,-9.05 160.449,-9.05 160.899,-9.05 161.349,-9.05 161.799,-9.05 162.249,-9.05 162.699,-9.05 163.149,-9.05 163.599,-9.05 165.849,-9.05 166.299,-9.05 166.749,-9.05 167.199,-9.05 167.649,-9.05 168.099,-9.05 168.549,-9.05 168.999,-9.05 169.449,-9.05 169.899,-9.05 170.349,-9.05 170.799,-9.05 171.249,-9.05 171.699,-9.05 172.149,-9.05 172.599,-9.05 173.049,-9.05 173.499,-9.05 173.949,-9.05 174.399,-9.05 174.849,-9.05 175.299,-9.05 175.749,-9.05 176.199,-9.05 176.649,-9.05 177.099,-9.05 177.549,-9.05 177.999,-9.05 178.449,-9.05 182.049,-9.05 182.499,-9.05 182.949,-9.05 183.399,-9.05 183.849,-9.05 184.299,-9.05 184.749,-9.05 185.199,-9.05 185.649,-9.05 186.099,-9.05 186.549,-9.05 186.999,-9.05 187.449,-9.05 187.899,-9.05 188.349,-9.05 188.799,-9.05 189.249,-9.05 147.174,-8.6 147.624,-8.6 148.074,-8.6 149.874,-8.6 150.324,-8.6 150.774,-8.6 153.024,-8.6 153.474,-8.6 154.824,-8.6 155.274,-8.6 155.724,-8.6 156.174,-8.6 156.624,-8.6 157.074,-8.6 157.524,-8.6 157.974,-8.6 158.424,-8.6 158.874,-8.6 159.324,-8.6 159.774,-8.6 160.224,-8.6 160.674,-8.6 161.124,-8.6 161.574,-8.6 162.024,-8.6 162.474,-8.6 162.924,-8.6 163.374,-8.6 163.824,-8.6 165.624,-8.6 166.074,-8.6 166.524,-8.6 166.974,-8.6 167.424,-8.6 167.874,-8.6 168.324,-8.6 168.774,-8.6 169.224,-8.6 169.674,-8.6 170.124,-8.6 170.574,-8.6 171.024,-8.6 171.474,-8.6 171.924,-8.6 172.374,-8.6 172.824,-8.6 173.274,-8.6 173.724,-8.6 174.174,-8.6 174.624,-8.6 175.074,-8.6 175.524,-8.6 175.974,-8.6 176.424,-8.6 176.874,-8.6 177.324,-8.6 177.774,-8.6 182.274,-8.6 182.724,-8.6 183.174,-8.6 183.624,-8.6 184.074,-8.6 184.524,-8.6 184.974,-8.6 185.424,-8.6 185.874,-8.6 186.324,-8.6 186.774,-8.6 187.224,-8.6 187.674,-8.6 188.124,-8.6 188.574,-8.6 189.024,-8.6 146.949,-8.15 147.399,-8.15 147.849,-8.15 148.299,-8.15 149.649,-8.15 150.099,-8.15 150.549,-8.15 153.249,-8.15 155.049,-8.15 155.499,-8.15 155.949,-8.15 156.399,-8.15 156.849,-8.15 157.299,-8.15 157.749,-8.15 158.199,-8.15 158.649,-8.15 159.099,-8.15 159.549,-8.15 159.999,-8.15 160.449,-8.15 160.899,-8.15 161.349,-8.15 161.799,-8.15 162.249,-8.15 162.699,-8.15 163.149,-8.15 163.599,-8.15 165.849,-8.15 166.299,-8.15 166.749,-8.15 167.199,-8.15 167.649,-8.15 168.099,-8.15 168.549,-8.15 168.999,-8.15 169.449,-8.15 169.899,-8.15 170.349,-8.15 170.799,-8.15 171.249,-8.15 171.699,-8.15 172.149,-8.15 172.599,-8.15 173.049,-8.15 173.499,-8.15 173.949,-8.15 174.399,-8.15 174.849,-8.15 175.299,-8.15 175.749,-8.15 176.199,-8.15 176.649,-8.15 177.099,-8.15 177.549,-8.15 177.999,-8.15 182.499,-8.15 182.949,-8.15 183.399,-8.15 183.849,-8.15 184.299,-8.15 184.749,-8.15 185.199,-8.15 185.649,-8.15 186.099,-8.15 186.549,-8.15 186.999,-8.15 187.449,-8.15 187.899,-8.15 188.349,-8.15 188.799,-8.15 189.249,-8.15 147.174,-7.7 147.624,-7.7 148.074,-7.7 149.424,-7.7 149.874,-7.7 150.324,-7.7 150.774,-7.7 151.224,-7.7 153.024,-7.7 153.474,-7.7 154.824,-7.7 155.274,-7.7 155.724,-7.7 156.174,-7.7 156.624,-7.7 157.074,-7.7 157.524,-7.7 157.974,-7.7 158.424,-7.7 158.874,-7.7 159.324,-7.7 159.774,-7.7 160.224,-7.7 160.674,-7.7 161.124,-7.7 161.574,-7.7 162.024,-7.7 162.474,-7.7 162.924,-7.7 163.374,-7.7 163.824,-7.7 165.624,-7.7 166.074,-7.7 166.524,-7.7 166.974,-7.7 167.424,-7.7 167.874,-7.7 168.324,-7.7 168.774,-7.7 169.224,-7.7 169.674,-7.7 170.124,-7.7 170.574,-7.7 171.024,-7.7 171.474,-7.7 171.924,-7.7 172.374,-7.7 172.824,-7.7 173.274,-7.7 173.724,-7.7 174.174,-7.7 174.624,-7.7 175.074,-7.7 175.524,-7.7 175.974,-7.7 176.424,-7.7 176.874,-7.7 177.324,-7.7 177.774,-7.7 178.224,-7.7 182.274,-7.7 182.724,-7.7 183.174,-7.7 183.624,-7.7 184.074,-7.7 184.524,-7.7 184.974,-7.7 185.424,-7.7 185.874,-7.7 186.324,-7.7 186.774,-7.7 187.224,-7.7 187.674,-7.7 188.124,-7.7 188.574,-7.7 189.024,-7.7 146.949,-7.25 147.399,-7.25 147.849,-7.25 148.299,-7.25 149.649,-7.25 150.099,-7.25 150.549,-7.25 150.999,-7.25 151.449,-7.25 151.899,-7.25 152.349,-7.25 152.799,-7.25 153.249,-7.25 155.049,-7.25 155.499,-7.25 155.949,-7.25 156.399,-7.25 156.849,-7.25 157.299,-7.25 157.749,-7.25 158.199,-7.25 158.649,-7.25 159.099,-7.25 159.549,-7.25 159.999,-7.25 160.449,-7.25 160.899,-7.25 161.349,-7.25 161.799,-7.25 162.249,-7.25 162.699,-7.25 163.149,-7.25 163.599,-7.25 165.849,-7.25 166.299,-7.25 166.749,-7.25 167.199,-7.25 167.649,-7.25 168.099,-7.25 168.549,-7.25 168.999,-7.25 169.449,-7.25 169.899,-7.25 170.349,-7.25 170.799,-7.25 171.249,-7.25 171.699,-7.25 172.149,-7.25 172.599,-7.25 173.049,-7.25 173.499,-7.25 173.949,-7.25 174.399,-7.25 174.849,-7.25 175.299,-7.25 175.749,-7.25 176.199,-7.25 176.649,-7.25 177.099,-7.25 177.549,-7.25 177.999,-7.25 178.449,-7.25 180.699,-7.25 181.149,-7.25 181.599,-7.25 182.049,-7.25 182.499,-7.25 182.949,-7.25 183.399,-7.25 183.849,-7.25 184.299,-7.25 184.749,-7.25 185.199,-7.25 185.649,-7.25 186.099,-7.25 186.549,-7.25 186.999,-7.25 187.449,-7.25 187.899,-7.25 188.349,-7.25 188.799,-7.25 189.249,-7.25 147.174,-6.8 147.624,-6.8 148.074,-6.8 149.424,-6.8 149.874,-6.8 150.324,-6.8 150.774,-6.8 151.224,-6.8 151.674,-6.8 152.124,-6.8 152.574,-6.8 153.024,-6.8 153.474,-6.8 154.824,-6.8 155.274,-6.8 155.724,-6.8 156.174,-6.8 156.624,-6.8 157.074,-6.8 157.524,-6.8 157.974,-6.8 158.424,-6.8 158.874,-6.8 159.324,-6.8 159.774,-6.8 160.224,-6.8 160.674,-6.8 161.124,-6.8 161.574,-6.8 162.024,-6.8 162.474,-6.8 162.924,-6.8 163.374,-6.8 163.824,-6.8 165.624,-6.8 166.074,-6.8 166.524,-6.8 166.974,-6.8 167.424,-6.8 167.874,-6.8 168.324,-6.8 168.774,-6.8 169.224,-6.8 169.674,-6.8 170.124,-6.8 170.574,-6.8 171.024,-6.8 171.474,-6.8 171.924,-6.8 172.374,-6.8 172.824,-6.8 173.274,-6.8 173.724,-6.8 174.174,-6.8 174.624,-6.8 175.074,-6.8 175.524,-6.8 175.974,-6.8 176.424,-6.8 176.874,-6.8 177.324,-6.8 177.774,-6.8 178.224,-6.8 178.674,-6.8 179.574,-6.8 180.924,-6.8 181.374,-6.8 181.824,-6.8 182.274,-6.8 182.724,-6.8 183.174,-6.8 183.624,-6.8 184.074,-6.8 184.524,-6.8 184.974,-6.8 185.424,-6.8 185.874,-6.8 186.324,-6.8 186.774,-6.8 187.224,-6.8 187.674,-6.8 188.124,-6.8 188.574,-6.8 189.024,-6.8 146.949,-6.35 147.399,-6.35 147.849,-6.35 148.299,-6.35 149.649,-6.35 150.099,-6.35 150.549,-6.35 150.999,-6.35 151.449,-6.35 151.899,-6.35 152.349,-6.35 152.799,-6.35 153.249,-6.35 155.049,-6.35 155.499,-6.35 155.949,-6.35 156.399,-6.35 156.849,-6.35 157.299,-6.35 157.749,-6.35 158.199,-6.35 158.649,-6.35 159.099,-6.35 159.549,-6.35 159.999,-6.35 160.449,-6.35 160.899,-6.35 161.349,-6.35 161.799,-6.35 162.249,-6.35 162.699,-6.35 163.149,-6.35 163.599,-6.35 165.849,-6.35 166.299,-6.35 166.749,-6.35 167.199,-6.35 167.649,-6.35 168.099,-6.35 168.549,-6.35 168.999,-6.35 169.449,-6.35 169.899,-6.35 170.349,-6.35 170.799,-6.35 171.249,-6.35 171.699,-6.35 172.149,-6.35 172.599,-6.35 173.049,-6.35 173.499,-6.35 173.949,-6.35 174.399,-6.35 174.849,-6.35 175.299,-6.35 175.749,-6.35 176.199,-6.35 176.649,-6.35 177.099,-6.35 177.549,-6.35 177.999,-6.35 178.449,-6.35 180.699,-6.35 181.149,-6.35 181.599,-6.35 182.049,-6.35 182.499,-6.35 182.949,-6.35 183.399,-6.35 183.849,-6.35 184.299,-6.35 184.749,-6.35 185.199,-6.35 185.649,-6.35 186.099,-6.35 186.549,-6.35 186.999,-6.35 187.449,-6.35 187.899,-6.35 188.349,-6.35 188.799,-6.35 189.249,-6.35 147.174,-5.9 150.324,-5.9 150.774,-5.9 151.224,-5.9 151.674,-5.9 152.124,-5.9 152.574,-5.9 153.024,-5.9 153.474,-5.9 154.824,-5.9 155.274,-5.9 155.724,-5.9 156.174,-5.9 156.624,-5.9 157.074,-5.9 157.524,-5.9 157.974,-5.9 158.424,-5.9 158.874,-5.9 159.324,-5.9 159.774,-5.9 160.224,-5.9 160.674,-5.9 161.124,-5.9 161.574,-5.9 162.024,-5.9 162.474,-5.9 162.924,-5.9 163.374,-5.9 163.824,-5.9 165.624,-5.9 166.074,-5.9 166.524,-5.9 166.974,-5.9 167.424,-5.9 167.874,-5.9 168.324,-5.9 168.774,-5.9 169.224,-5.9 169.674,-5.9 170.124,-5.9 170.574,-5.9 171.024,-5.9 171.474,-5.9 171.924,-5.9 172.374,-5.9 172.824,-5.9 173.274,-5.9 173.724,-5.9 174.174,-5.9 174.624,-5.9 175.074,-5.9 175.524,-5.9 175.974,-5.9 176.424,-5.9 176.874,-5.9 177.324,-5.9 177.774,-5.9 178.224,-5.9 178.674,-5.9 179.574,-5.9 180.924,-5.9 181.374,-5.9 181.824,-5.9 182.274,-5.9 182.724,-5.9 183.174,-5.9 183.624,-5.9 184.074,-5.9 184.524,-5.9 184.974,-5.9 185.424,-5.9 185.874,-5.9 186.324,-5.9 186.774,-5.9 187.224,-5.9 187.674,-5.9 188.124,-5.9 188.574,-5.9 189.024,-5.9 146.949,-5.45 147.399,-5.45 150.549,-5.45 150.999,-5.45 151.449,-5.45 151.899,-5.45 152.349,-5.45 152.799,-5.45 153.249,-5.45 155.049,-5.45 155.499,-5.45 155.949,-5.45 156.399,-5.45 156.849,-5.45 157.299,-5.45 157.749,-5.45 158.199,-5.45 158.649,-5.45 159.099,-5.45 159.549,-5.45 159.999,-5.45 160.449,-5.45 160.899,-5.45 161.349,-5.45 161.799,-5.45 162.249,-5.45 162.699,-5.45 163.149,-5.45 163.599,-5.45 165.849,-5.45 166.299,-5.45 166.749,-5.45 167.199,-5.45 167.649,-5.45 168.099,-5.45 168.549,-5.45 168.999,-5.45 169.449,-5.45 169.899,-5.45 170.349,-5.45 170.799,-5.45 171.249,-5.45 171.699,-5.45 172.149,-5.45 172.599,-5.45 173.049,-5.45 173.499,-5.45 173.949,-5.45 174.399,-5.45 174.849,-5.45 175.299,-5.45 175.749,-5.45 176.199,-5.45 176.649,-5.45 177.099,-5.45 177.549,-5.45 177.999,-5.45 178.449,-5.45 180.699,-5.45 181.149,-5.45 181.599,-5.45 182.049,-5.45 182.499,-5.45 182.949,-5.45 183.399,-5.45 183.849,-5.45 184.299,-5.45 184.749,-5.45 185.199,-5.45 185.649,-5.45 186.099,-5.45 186.549,-5.45 186.999,-5.45 187.449,-5.45 187.899,-5.45 188.349,-5.45 188.799,-5.45 189.249,-5.45 147.174,-5 150.324,-5 150.774,-5 151.224,-5 151.674,-5 152.124,-5 152.574,-5 153.024,-5 153.474,-5 154.824,-5 155.274,-5 155.724,-5 156.174,-5 156.624,-5 157.074,-5 157.524,-5 157.974,-5 158.424,-5 158.874,-5 159.324,-5 159.774,-5 160.224,-5 160.674,-5 161.124,-5 161.574,-5 162.024,-5 162.474,-5 162.924,-5 163.374,-5 163.824,-5 165.624,-5 166.074,-5 166.524,-5 166.974,-5 167.424,-5 167.874,-5 168.324,-5 168.774,-5 169.224,-5 169.674,-5 170.124,-5 170.574,-5 171.024,-5 171.474,-5 171.924,-5 172.374,-5 172.824,-5 173.274,-5 173.724,-5 174.174,-5 174.624,-5 175.074,-5 175.524,-5 175.974,-5 176.424,-5 176.874,-5 177.324,-5 177.774,-5 178.224,-5 178.674,-5 179.574,-5 180.924,-5 181.374,-5 181.824,-5 182.274,-5 182.724,-5 183.174,-5 183.624,-5 184.074,-5 184.524,-5 184.974,-5 185.424,-5 185.874,-5 186.324,-5 186.774,-5 187.224,-5 187.674,-5 188.124,-5 188.574,-5 189.024,-5 146.949,-4.55 147.399,-4.55 150.549,-4.55 150.999,-4.55 151.449,-4.55 151.899,-4.55 152.349,-4.55 152.799,-4.55 153.249,-4.55 155.049,-4.55 155.499,-4.55 155.949,-4.55 156.399,-4.55 156.849,-4.55 157.299,-4.55 157.749,-4.55 158.199,-4.55 158.649,-4.55 159.099,-4.55 159.549,-4.55 159.999,-4.55 160.449,-4.55 160.899,-4.55 161.349,-4.55 161.799,-4.55 162.249,-4.55 162.699,-4.55 163.149,-4.55 163.599,-4.55 165.849,-4.55 166.299,-4.55 166.749,-4.55 167.199,-4.55 167.649,-4.55 168.099,-4.55 168.549,-4.55 168.999,-4.55 169.449,-4.55 169.899,-4.55 170.349,-4.55 170.799,-4.55 171.249,-4.55 171.699,-4.55 172.149,-4.55 172.599,-4.55 173.049,-4.55 173.499,-4.55 173.949,-4.55 174.399,-4.55 174.849,-4.55 175.299,-4.55 175.749,-4.55 176.199,-4.55 176.649,-4.55 177.099,-4.55 177.549,-4.55 177.999,-4.55 178.449,-4.55 180.699,-4.55 181.149,-4.55 181.599,-4.55 182.049,-4.55 182.499,-4.55 182.949,-4.55 183.399,-4.55 183.849,-4.55 184.299,-4.55 184.749,-4.55 185.199,-4.55 185.649,-4.55 186.099,-4.55 186.549,-4.55 186.999,-4.55 187.449,-4.55 187.899,-4.55 188.349,-4.55 188.799,-4.55 189.249,-4.55 147.174,-4.1 147.624,-4.1 148.074,-4.1 148.524,-4.1 148.974,-4.1 150.774,-4.1 151.224,-4.1 151.674,-4.1 152.124,-4.1 152.574,-4.1 153.024,-4.1 153.474,-4.1 154.824,-4.1 155.274,-4.1 155.724,-4.1 156.174,-4.1 156.624,-4.1 157.074,-4.1 157.524,-4.1 157.974,-4.1 158.424,-4.1 158.874,-4.1 159.324,-4.1 159.774,-4.1 160.224,-4.1 160.674,-4.1 161.124,-4.1 166.974,-4.1 167.424,-4.1 167.874,-4.1 168.324,-4.1 168.774,-4.1 169.224,-4.1 169.674,-4.1 170.124,-4.1 170.574,-4.1 171.024,-4.1 171.474,-4.1 171.924,-4.1 172.374,-4.1 172.824,-4.1 173.274,-4.1 173.724,-4.1 174.174,-4.1 174.624,-4.1 175.074,-4.1 175.524,-4.1 175.974,-4.1 176.424,-4.1 176.874,-4.1 177.324,-4.1 177.774,-4.1 178.224,-4.1 178.674,-4.1 180.924,-4.1 181.374,-4.1 181.824,-4.1 182.274,-4.1 182.724,-4.1 183.174,-4.1 183.624,-4.1 184.074,-4.1 184.524,-4.1 184.974,-4.1 185.424,-4.1 185.874,-4.1 186.324,-4.1 186.774,-4.1 187.224,-4.1 187.674,-4.1 188.124,-4.1 188.574,-4.1 189.024,-4.1